# Altium PCB Quadcopter.PcbDoc (continued)
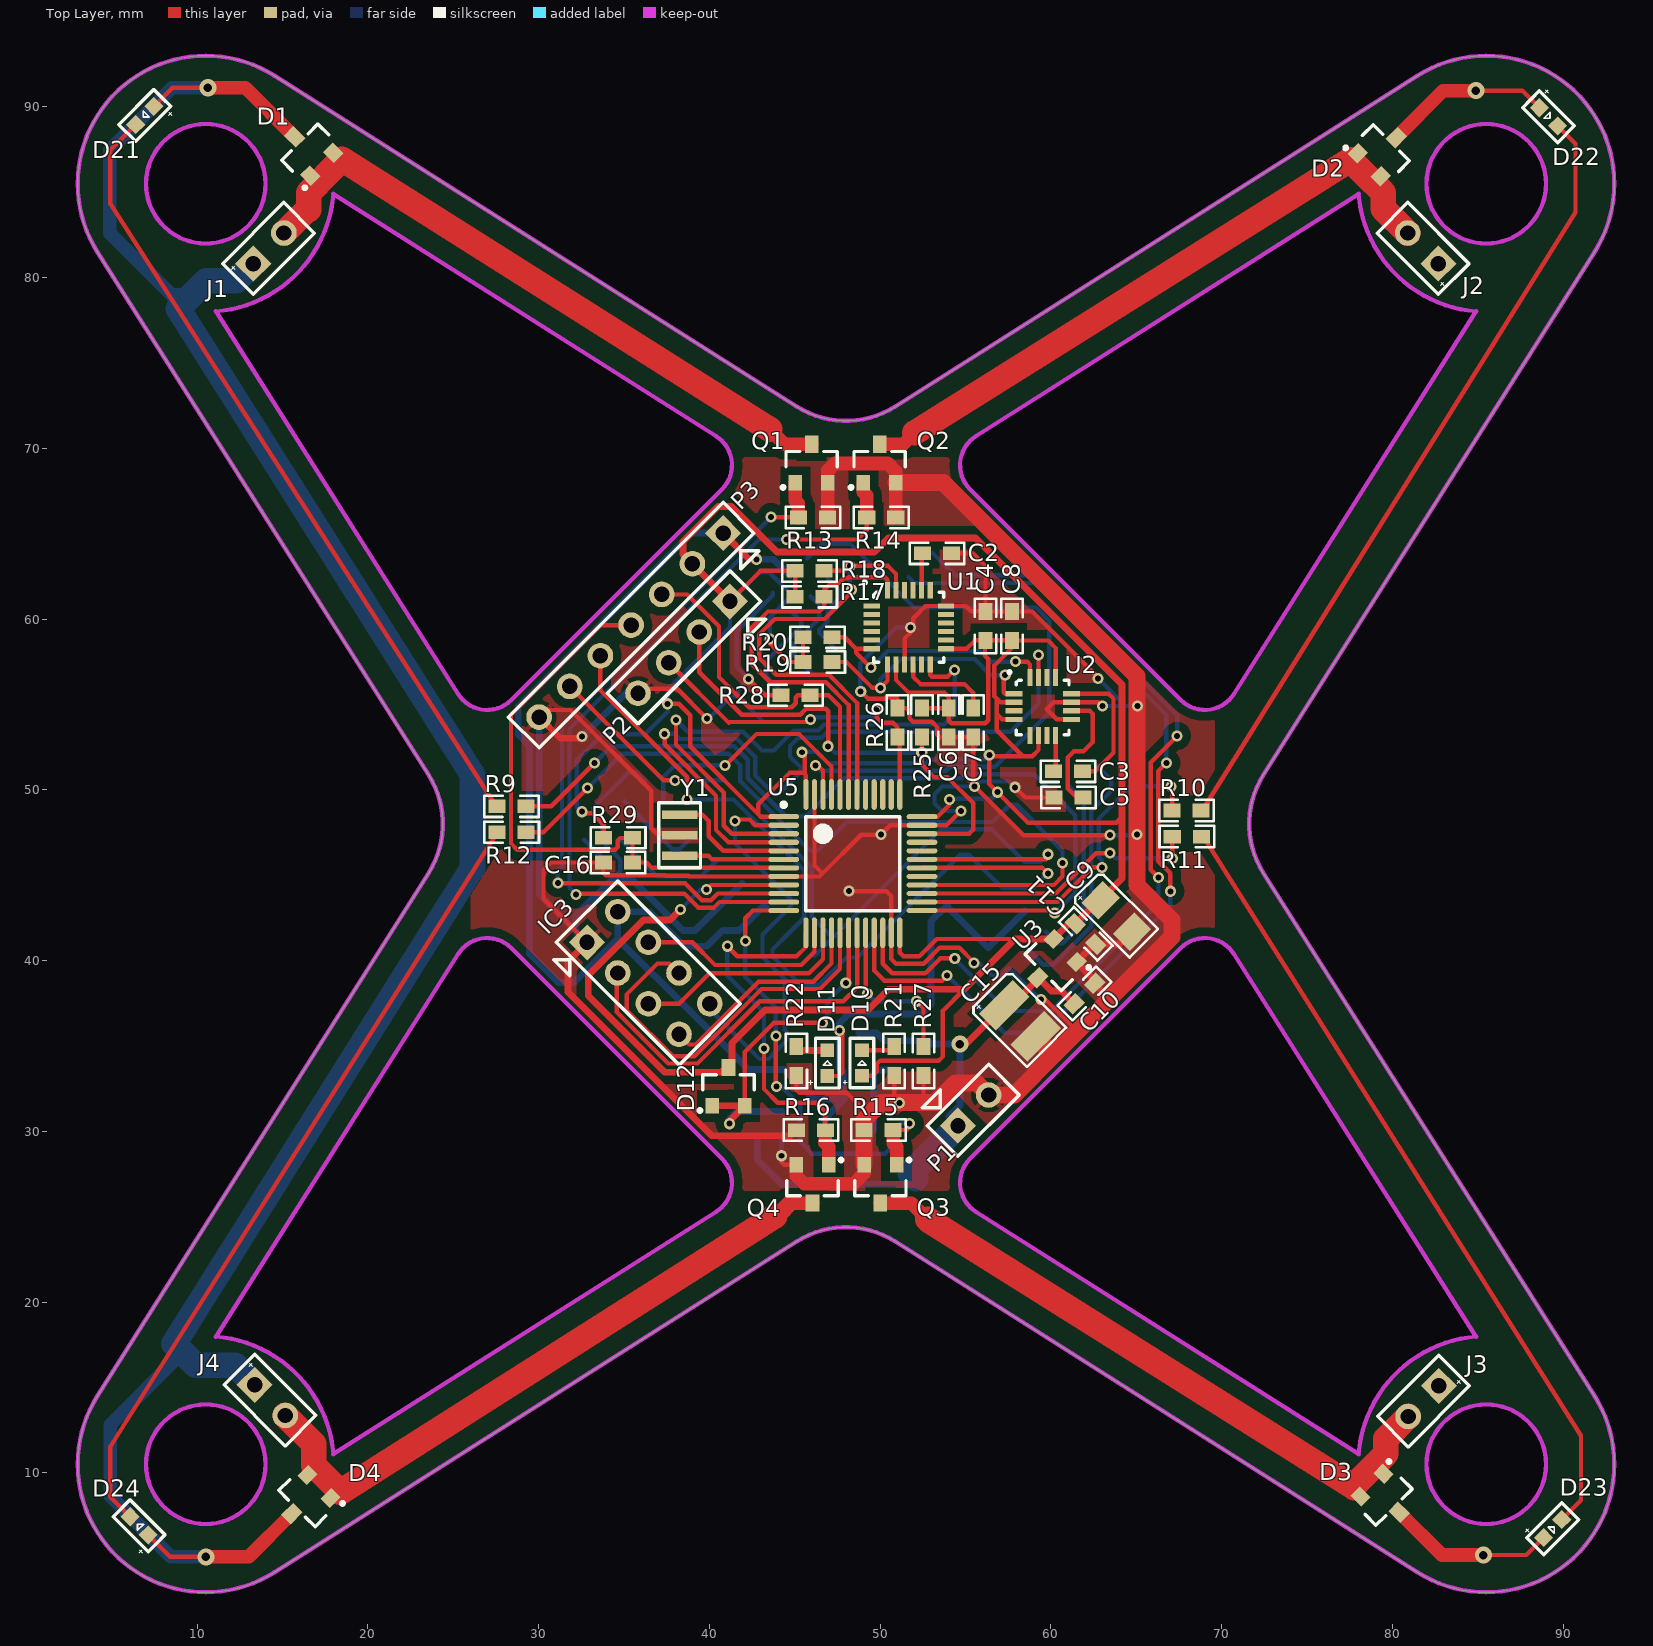
[diagram p0: Top Layer view]
## Nets (pads, with @x,y where several pads share a name; then routed paths per layer and width w, separated by ;. In a path a pad name is that pad's centre, name@x,y a point inside that pad or via, vN(x,y) a via of type N, cw(c..) or ccw(c..) an arc to the next point about the centre after c; other vN are vias at no path point)
3V3: C4.2 C6.2 C8.2 C9.1 C11.1 D10.1 D12.3 P2.1 P3.2 R17.2 R18.2 R19.2 R20.2 R25.2 R29.1 U1.8 U1.13 U2.2 U2.4 U2.6 U2.13 U3.2 U5.1 U5.9 U5.24 U5.36 U5.48 | length 239.6
  Top Layer w0.254: v1(32.526,48.719) 32.474,48.667 32.474,48.638 33.127,48.638 33.805,47.959 R29.1 ; v1(37.552,55.043) 38.204,55.043 38.879,54.368 38.879,52.56 42.854,48.586 ; v1(39.83,44.163) 40.096,44.429 U5.9 ; P2.1 42.987,62.825 R18.2 45.023,62.813 R17.2 ; v1(43.541,58.839) 43.541,58.58 44.633,57.488 R19.2 45.478,57.502 R20.2 ; U5.1 43.01,48.429 42.854,48.586 ; v1(45.432,52.202) 45.494,52.202 45.578,52.119 45.578,50.924 ; U5.48 45.652,50.85 45.578,50.924 ; D10.1 49.55,33.254 49.811,33.515 49.811,33.957 49.997,34.143 53.438,34.143 53.675,34.379 53.675,37.064 54.932,38.322 ; U1.8 50.933,56.431 51.661,55.702 53.774,55.702 54.024,55.452 C6.2 ; U5.24 51.152,40.467 51.37,40.249 52.297,40.249 53.311,41.262 57.873,41.262 ; R25.2 52.451,54.789 C6.2 ; U5.36 53.357,48.429 54.061,49.133 v1(54.061,49.44) ; U1.13 55.062,58.267 55.548,58.753 C4.2 ; 56.835,55.341 56.835,54.437 ; U2.4 57.14,54.132 56.835,54.437 ; U2.2 57.044,55.132 56.692,55.484 56.692,57.287 57.725,58.319 C8.2 ; U2.6 59.279,52.334 58.914,51.969 58.356,51.969 ; U2.13 60.279,58.313 59.847,58.745 C8.2 ; C9.1@62.806,43.539 C9.1 ; C9.1@63.141,43.356 C9.1@63.417,43.632 ; 64.172,48.421 63.824,48.073 58.667,48.073 56.393,50.347 v1(56.393,52.045) 56.468,51.969 58.356,51.969 ; 42.854,48.586 42.854,49.154 44.695,50.995 45.506,50.995 45.578,50.924 ; C6.2 54.024,54.046 54.173,53.897 56.156,53.897 56.331,54.072 56.331,57.667 56.141,57.857 56.141,58.722 C4.2 ; C4.2 57.717,58.753 C8.2 ; 56.835,54.437 56.835,53.49 58.356,51.969
  Top Layer w0.4: v1(38.3,42.992) 37.678,42.369 36.131,42.369 32.908,39.147 32.908,37.939 37.383,33.464 40.705,33.464 41.315,34.074 41.315,35.164 43.263,37.112 49.301,37.112 49.962,37.773 49.962,37.784 50.498,38.321 51.833,38.321 51.835,38.322 52.417,38.322 52.418,38.321 54.931,38.321 54.932,38.322 54.954,38.322 57.873,41.241 57.873,41.262 U3.2 61.07,42.169 C11.1 C9.1@62.806,43.539 ; P2.1 P3.2 38.456,63.791 38.456,64.544 40.509,66.598 41.28,66.598 43.953,63.924 49.656,63.924 50.493,64.761 55.584,64.761 64.172,56.172 64.172,48.421 64.172,44.8 C9.1
  Bottom Layer w0.254: v1(32.526,48.719) 32.236,49.009 32.236,51.72 33.779,53.264 36.243,53.264 37.552,54.572 v1(37.552,55.043) 37.552,55.868 41.205,59.521 P2.1 41.226,61.043 42.928,62.745 43.502,62.745 44.78,61.468 44.78,61.348 43.541,60.109 v1(43.541,58.839) ; v1(38.3,42.992) 39.471,44.163 v1(39.83,44.163) ; v1(45.432,52.202) 45.446,52.216 45.446,52.233 46.292,52.233 46.974,51.551 52.699,51.551 52.935,51.787 56.135,51.787 v1(56.393,52.045) ; v1(54.061,49.44) 54.105,49.484 56.536,49.484 56.865,49.812 v1(56.865,49.862)
3V3_EXT: C1.2 C12.1 C14.1 D11.1 IC1.8 IC2.12 IC3.2 P3.1 R1.2 R2.2 R4.1 U4.2 | length 101
  Top Layer w0.254: D11.1 47.591,33.24 47.771,33.42 47.771,35.762 v1(47.629,35.905)
  Top Layer w0.4: P3.1 42.334,63.505 v1(42.76,63.505)
  Bottom Layer w0.254: C14.1@47.816,31.993 C14.1
  Bottom Layer w0.4: P3.1 38.95,65.039 28.803,54.892 28.803,53.252 29.457,52.598 29.457,40.414 31.159,38.711 32.071,38.711 34.629,41.27 ; v1(42.76,63.505) 43.762,63.505 R4.1 ; IC2.12 43.07,43.101 41.725,41.756 40.758,41.756 39.838,40.836 38.531,40.836 36.503,42.865 IC3.2 34.629,41.27 ; C12.1 46.777,30.755 C14.1 46.096,31.894 44.368,33.621 42.277,33.621 38.889,37.009 34.629,41.27 ; C14.1@47.816,31.993 U4.2 47.629,33.695 v1(47.629,35.905) 47.629,36.341 48.152,36.865 52.421,36.865 52.984,37.427 52.984,42.305 53.814,43.135 IC1.8@53.959,43.135 ; IC1.8 IC1.8@53.959,43.135 ; R1.2@58.489,42.915 56.343,40.769 C1.2 IC1.8@53.959,43.135
BOOT0: P3.3 R28.1 U5.44 | length 20.8
  Top Layer w0.254: P3.3 38.701,61.447 40.561,59.587 40.561,56.604 42.329,54.835 44.824,54.835 45.058,55.069 45.058,55.418 45.18,55.54 R28.1 46.977,55.54 47.652,54.865 U5.44
GND: C1.1 C2.1 C4.1 C5.1 C6.1 C7.1 C8.1 C9.2 C10.2 C11.2 C12.2 C13.2 C14.2 C15.2 C16.1 D31.2 IC1.15 IC2.13 IC3.1 P1.2 P2.4 P3.7 Q1.2 Q2.2 Q3.2 Q4.2 R5.2 R7.2 R13.1 R14.1 R15.1 R16.1 R21.1 R22.1 R24.1 R26.1 R27.1 R28.2 U1.9 U1.18 U2.9 U2.11 U3.1 U4.1 U5.8 U5.23 U5.35 U5.47 Y1.2 | length 324.7
  Top Layer w0.254: P3.7 30.435,54.674 31.861,54.674 36.593,49.942 36.593,47.758 36.899,47.453 38.143,47.453 Y1.2 ; IC3.1 30.278,43.623 30.278,45.301 30.721,45.744 C16.1 33.791,45.134 33.93,44.995 37.374,44.995 37.408,44.961 38.756,44.961 38.788,44.929 U5.8 46.451,44.929 46.622,45.1 ; P2.4 36.082,55.92 38.113,55.92 v1(39.85,54.184) ; v1(42.278,56.5) 43.238,55.54 R28.2 ; v1(44.212,28.569) 44.212,28.224 44.392,28.045 Q4.2 ; R22.1 45.091,32.428 45.268,32.251 48.063,32.251 49.062,31.252 49.062,30.665 R15.1 ; U5.47 46.152,45.57 46.622,45.1 ; v1(48.172,44.069) 50.359,44.069 50.652,43.776 U5.23 50.652,40.093 50.928,39.817 52.551,39.817 53.494,40.76 54.63,40.76 55.499,39.891 v1(55.499,39.861) ; v1(48.862,55.767) 49.286,55.343 50.271,55.343 50.348,55.42 50.931,55.42 51.015,55.335 R26.1 51.508,54.793 51.719,54.582 51.719,54.189 51.922,53.986 53.02,53.986 53.33,53.676 53.33,53.231 53.472,53.089 C6.1 ; 50.819,31.757 R21.1 ; U1.9 51.433,58.864 51.934,59.366 51.934,60.052 52.649,60.767 U1.18 55.02,60.767 55.333,60.453 C4.1 ; R27.1 52.544,31.698 52.546,31.696 ; C6.1@54.025,53.089 C7.1 v1@55.448,50.406 ; C2.1 55.423,63.855 56.173,63.105 C4.1 ; v1(54.735,48.758) 54.723,48.77 53.883,47.929 U5.35 50.596,47.929 v1(50.042,47.376) 48.898,47.376 46.622,45.1 ; v1(55.537,50.199) 58.385,47.351 v1(63.46,47.351) ; v1(57.906,50.151) 58.504,49.553 C5.1 ; v1(59.426,37.719) 59.426,37.715 59.681,37.715 61.526,35.87 61.526,35.828 ; U2.9 60.339,54.132 59.746,54.725 60.153,55.132 U2.11 62.813,55.132 v1(63.026,54.919) ; v1(62.76,56.532) 62.76,56.597 58.912,60.445 C8.1 56.181,60.445 C4.1
  Top Layer w0.4: P3.7 31.263,53.023 32.306,53.023 32.402,53.119 v1(32.526,53.119) ; IC3.1 31.724,39.959 31.724,38.152 40.133,29.742 44.764,29.742 R16.1 ; 59.994,34.635 60.332,34.635 ; 63.434,37.801 C10.2 62.566,38.859 U3.1 62.555,40.967 C11.2 64.016,40.967 C9.2
  Top Layer w0.8: Q4.2 45.086,27.397 45.552,26.932 48.451,26.932 49.063,27.544 Q3.2 ; R13.1 46.937,65.978 Q1.2 46.937,68.708 47.346,69.117 50.454,69.117 50.919,68.652 Q2.2 50.919,65.954 R14.1
  Top Layer w1: Q3.2 R15.1 ; 49.062,30.665 50.093,31.696 52.546,31.696 53.263,31.696 54.408,32.841 55.64,32.841 P1.2 57.859,32.127 59.017,33.285 59.017,33.319 60.332,34.635 61.526,35.828 63.499,37.801 ; Q2.2 53.706,67.992 65.038,56.66 65.038,56.548 65.05,56.536 65.05,44.436 65.038,44.424 67.09,42.372 67.09,41.392 63.499,37.801 ; C15.2 59.111,35.517 59.994,34.635 ; 63.434,37.801 63.499,37.801
  Bottom Layer w0.254: 34.224,44.695 34.785,45.257 34.785,45.902 33.732,46.955 D31.2 33.187,48.683 33.187,48.936 35.245,50.994 35.753,50.994 R7.2 ; v1(39.85,54.184) 39.962,54.184 41.247,55.468 41.681,55.468 41.681,55.903 v1(42.278,56.5) 41.61,57.168 41.61,59.288 43.708,61.387 R5.2 ; 41.659,55.491 IC1.15 ; v1(44.212,28.569) 44.212,29.408 R24.1 ; v1(48.862,55.767) 48.841,55.787 48.841,57.418 50.937,59.514 v1(51.775,59.514) ; C12.2@49.446,29.906 C12.2@49.616,30.076 ; U4.1@49.616,33.408 U4.1 U4.1@49.808,33.601 ; v1(54.735,48.758) 53.622,48.758 53.182,49.198 53.182,49.741 53.64,50.199 v1(55.537,50.199) 55.829,50.492 57.565,50.492 v1(57.906,50.151) ; v1(55.499,39.861) 55.801,39.861 56.537,39.125 57.092,39.125 57.527,39.561 C1.1 59.375,37.719 v1(59.426,37.719) ; v1(62.76,56.532) 64.377,54.915 ; v1@63.045,54.939 63.069,54.915 64.377,54.915 ; v1(63.46,47.351) 64.956,47.351 65.022,47.417 v1(65.048,47.391) ; v1(65.068,54.915) 64.377,54.915
  Bottom Layer w0.4: P3.7 30.035,54.251 30.035,43.867 32.167,41.734 ; v1(32.526,53.119) 32.526,53.106 32.537,53.095 35.097,55.655 P2.4 ; IC3.1 32.167,41.734 ; IC2.13 39.157,41.766 38.446,41.766 38.446,41.769 35.52,44.695 34.224,44.695 32.167,42.638 32.167,41.734 ; C12.2@49.616,30.076 C14.2 ; U4.1@49.616,33.408 C14.2 ; U4.1@49.808,33.601 C13.2 ; v1(51.135,31.653) 50.894,31.894 C14.2
NetC2_2: C2.2 U1.20 | length 2.1
  Top Layer w0.254: U1.20 C2.2@52.433,63.81
NetC3_1: C3.1 U2.8 | length 2.2
  Top Layer w0.254: C3.1 60.279,51.217 U2.8
NetC3_2: C3.2 U2.12 | length 8
  Top Layer w0.254: U2.12 63.382,55.632 63.668,55.346 63.668,52.173 62.58,51.085 C3.2
NetC5_2: C5.2 U2.10 | length 7.7
  Top Layer w0.254: U2.10 62.268,54.632 62.445,54.455 62.445,52.79 61.916,52.261 61.35,52.261 60.985,51.896 60.985,50.079 61.511,49.553 C5.2
NetC7_2: C7.2 U1.10 | length 5.5
  Top Layer w0.254: U1.10 51.933,56.627 52.367,56.192 54.936,56.192 55.448,55.681 C7.2
NetD1_1: D1.1 D1.2 J1.2 Q1.3 | length 46.2
  Top Layer w0.254: 16.455,83.994 17.503,85.042
  Top Layer w0.8: 43.526,71.119 44.404,70.242 Q1.3
  Top Layer w1.5: J1.2 16.455,83.994 16.525,83.994 ; 43.526,71.119 18.471,86.929 ; 16.525,83.994 16.525,84.983 ; 16.525,83.994 16.525,84.983 ; 16.525,84.983 18.471,86.929 ; 16.525,84.983 18.471,86.929 ; 16.525,84.983 18.471,86.929
NetD2_1: D2.1 D2.2 J2.2 Q2.3 | length 42.6
  Top Layer w0.254: 79.317,84.196 D2.2
  Top Layer w0.8: Q2.3 51.349,70.242 52.026,70.919
  Top Layer w1.5: 52.026,70.919 77.542,86.904 ; J2.2 79.473,84.041 79.473,84.985 ; 77.542,86.904 77.567,86.878 ; 77.542,86.904 77.567,86.878 ; 77.542,86.904 78.911,85.535 77.567,86.878 ; 79.473,84.985 78.944,85.514 79.473,84.985
NetD3_1: D3.1 D3.2 J3.2 Q3.3 | length 78.6
  Top Layer w0.254: 78.136,9.421 78.136,10.508 J3.2
  Top Layer w0.8: Q3.3 51.827,25.795 52.783,24.839
  Top Layer w1.5: J3.2 79.622,11.995 ; 77.78,9.276 79.622,11.118 ; 77.78,9.276 79.622,11.118 ; 77.78,9.276 79.622,11.118 ; 79.622,11.118 79.622,11.995 ; 79.622,11.118 79.622,11.995 ; 52.783,24.839 77.78,9.135 52.783,24.839
NetD4_1: D4.1 D4.2 J4.2 Q4.3 | length 73.9
  Top Layer w0.8: 43.826,25.019 44.069,25.019 44.845,25.795 ; 43.96,25.153 44.586,25.779 ; 44.871,25.795 Q4.3
  Top Layer w1.5: J4.2 16.835,11.683 16.835,10.423 ; 16.835,10.423 18.269,8.989 ; 16.835,10.423 18.269,8.989 ; 16.835,10.423 18.388,8.871 ; 18.269,8.989 18.388,8.871 ; 18.269,8.989 18.388,8.871 ; 18.388,8.871 43.826,25.019 18.388,8.871
NetD10_2: D10.2 R21.2 | length 1.7
  Top Layer w0.254: D10.2 R21.2@50.6,34.754
NetD11_2: D11.2 R22.2 | length 1.9
  Top Layer w0.4: R22.2 45.324,34.739 D11.2
NetD12_1: D12.1 D12.2 R23.1 R24.2 U5.18 | length 21.2
  Top Layer w0.254: D12.2 42.067,34.646 43.772,36.351 v1(46.62,36.351) ; v1(47.986,38.681) 48.152,38.847 U5.18
  Top Layer w0.4: D12.1@40.233,31.495 D12.2 41.167,30.594 v1(41.167,30.445)
  Bottom Layer w0.254: v1(46.62,36.351) 46.647,36.351 46.905,36.61 46.905,37.6 v1(47.986,38.681)
  Bottom Layer w0.4: v1(41.167,30.445) 41.167,30.733 41.586,31.153 R23.1 42.806,31.158 R24.2
NetD21_2: D21.2 R9.2 | length 47.2
  Top Layer w0.254: D21.2 4.901,87.471 4.901,84.345 R9.2@27.526,49.019
NetD22_2: D22.2 R10.2 | length 129.6
  Top Layer w0.254: D22.2 90.726,87.845 90.726,83.819 ; R10.2@68.826,48.719 R10.2@68.852,48.761 ; R10.2@68.826,48.719 R10.2@68.852,48.761 ; R10.2@68.826,48.719 90.726,83.819 ; R10.2@68.852,48.761 90.726,83.819 ; R10.2@68.852,48.761 90.726,83.819
NetD23_2: D23.2 R11.2 | length 88.9
  Top Layer w0.254: R11.2@68.811,47.419 R11.2@68.826,47.419 ; D23.2 91.053,8.394 91.053,12.172 ; R11.2@68.826,47.419 R11.2@68.894,47.312 ; R11.2@68.826,47.419 R11.2@68.894,47.312 ; R11.2@68.826,47.419 91.053,12.172 ; R11.2@68.894,47.312 91.053,12.172
NetD24_2: D24.2 R12.2 | length 47
  Top Layer w0.254: D24.2 4.903,8.586 4.903,11.533 R12.2@27.526,47.419
NetD31_1: D31.1 R8.1 | length 1.4
  Bottom Layer w0.254: D31.1 R8.1@33.672,46.076
NetIC1_2: IC1.2 R2.1 | length 15.7
  Bottom Layer w0.254: R2.1 59.551,39.758 60.13,39.758 62.362,41.99 62.362,48.771 63.544,49.953 63.544,50.576 IC1.2
NetIC1_3: IC1.3 R1.1 | length 11.4
  Bottom Layer w0.254: R1.1 60.396,41.008 60.693,41.008 61.93,42.246 61.93,49.361 IC1.3
NetIC1_16: IC1.16 R5.1 | length 6.5
  Bottom Layer w0.254: IC1.16 43.326,56.651 43.326,57.545 45.387,59.605 45.387,59.864 R5.1
NetIC1_17: IC1.17 R4.2 | length 5.8
  Bottom Layer w0.254: R4.2 46.443,60.823 46.443,60.051 44.971,58.579 44.971,57.835 IC1.17
NetIC1_18: IC1.18 R3.2 | length 5.3
  Bottom Layer w0.254: R3.2 47.617,61.681 47.617,61.23 46.941,60.554 46.941,59.892 46.442,59.393 46.442,59.193 IC1.18
NetIC1_21: IC1.21 U5.21 | length 54.5
  Top Layer w0.254: U5.21 49.652,39.417 50.244,38.825 51.624,38.825 51.626,38.827 52.626,38.827 52.627,38.825 53.632,38.825 v1(53.926,39.119) ; v1(66.766,51.582) 66.287,51.103 66.287,45.824 66.999,45.112 v1(66.999,44.059)
  Bottom Layer w0.254: IC1.21 52,62.12 59.037,62.12 66.766,54.391 v1(66.766,51.582) ; v1(53.926,39.119) 57.269,35.775 59.515,35.775 66.999,43.259 v1(66.999,44.059)
NetIC1_22: IC1.22 U5.22 | length 52.6
  Top Layer w0.254: U5.22 50.152,39.816 50.71,39.258 52.651,39.258 53.523,40.13 v1(54.37,40.13) ; v1(66.306,44.865) 65.855,45.316 65.855,51.605 67.406,53.156 v1(67.397,53.165)
  Bottom Layer w0.254: IC1.22 54.384,62.565 59.203,62.565 67.397,54.371 v1(67.397,53.165) ; v1(54.37,40.13) 54.37,40.1 57.426,37.043 60.002,37.043 66.306,43.347 v1(66.306,44.865)
NetIC2_24: IC2.24 R8.2 | length 6.9
  Bottom Layer w0.254: R8.2 36.938,44.945 39.508,44.945 IC2.24
NetIC2_26: IC2.26 R6.1 R7.1 | length 5.6
  Bottom Layer w0.254: R7.1 35.02,49.327 R6.1 37.832,46.515 38.249,46.515 IC2.26
NetIC3_3: IC3.3 U5.19 | length 22.7
  Top Layer w0.254: IC3.3@34.572,39.272 34.572,36.989 37.592,33.969 39.299,33.969 42.955,37.624 47.844,37.624 48.652,38.432 U5.19 ; IC3.3@34.938,39.34 IC3.3@34.992,39.393
NetIC3_4: IC3.4 U5.14 | length 11.7
  Top Layer w0.254: IC3.4 39,41.068 40.324,39.745 45.383,39.745 46.152,40.514 U5.14
NetIC3_5: IC3.5 U5.15 | length 12.9
  Top Layer w0.254: IC3.5 38.224,37.476 40.005,39.257 45.827,39.257 46.652,40.082 U5.15
NetIC3_6: IC3.6 U5.17 | length 22.8
  Top Layer w0.254: IC3.6 37.663,39.831 36.961,39.831 35.148,38.018 35.148,37.099 37.847,34.401 39.121,34.401 43.054,38.334 46.471,38.334 47.652,39.515 U5.17
NetIC3_7: IC3.7 U5.16 | length 12.9
  Top Layer w0.254: IC3.7 38.816,35.085 39.194,35.085 42.875,38.766 46.087,38.766 47.152,39.831 U5.16
NetIC3_8: IC3.8 U5.2 | length 25
  Top Layer w0.254: v1(41.502,48.173) 41.593,48.264 42.354,48.264 42.688,47.929 U5.2
  Bottom Layer w0.254: IC3.8 40.017,37.153 42.939,34.231 43.46,34.231 43.829,34.6 43.829,34.627 44.52,35.317 44.52,35.839 44.42,35.939 44.42,38.9 43.105,40.215 43.105,41.51 44.768,43.173 44.768,43.593 41.502,46.859 v1(41.502,48.173)
NetQ1_1: Q1.1 R13.2 U5.10 | length 44.1
  Top Layer w0.254: v1(31.126,44.549) 31.146,44.529 38.578,44.529 39.2,43.907 39.2,43.902 39.569,43.533 40.091,43.533 40.487,43.929 U5.10 ; v1(43.61,65.97) 45.189,65.97 R13.2
  Top Layer w0.8: Q1.1 45.037,66.943 45.209,66.771 R13.2
  Bottom Layer w0.254: v1(31.126,44.549) 31.126,45.258 31.369,45.502 31.369,53.738 43.602,65.97 v1(43.61,65.97)
NetQ2_1: Q2.1 R14.2 U5.11 | length 47.6
  Top Layer w0.254: v1(32.182,43.876) 32.226,43.919 38.534,43.919 39.352,43.101 40.27,43.101 40.598,43.429 U5.11 ; v1(44.513,64.661) 48.666,64.661 49.215,65.21 R14.2
  Top Layer w0.8: Q2.1 49.019,67.435 49.215,67.239 R14.2
  Bottom Layer w0.254: v1(32.182,43.876) 31.801,44.257 31.801,53.559 42.903,64.661 v1(44.513,64.661)
NetQ3_1: Q3.1 R15.2 U5.12 | length 28.3
  Top Layer w0.254: v1(42.102,41.139) 42.102,42.486 42.546,42.929 U5.12 ; v1(43.89,35.578) 43.89,32.678 v1(43.938,32.63) ; R15.2 51.561,30.078 51.713,30.23 v1(51.713,30.455)
  Top Layer w0.8: R15.2 50.762,29.299 50.963,29.098 Q3.1
  Bottom Layer w0.254: v1(42.102,41.139) 42.102,39.037 43.89,37.25 v1(43.89,35.578) ; v1(43.938,32.63) 44.21,32.63 45.324,31.516 45.324,29.396 45.772,28.949 45.772,28.905 45.988,28.689 50.292,28.689 50.554,28.952 50.554,29.854 51.155,30.455 v1(51.713,30.455)
NetQ4_1: Q4.1 R16.2 U5.13 | length 22.5
  Top Layer w0.254: v1(41.049,40.841) 41.636,40.254 45.105,40.254 45.652,40.801 U5.13 ; v1(43.2,34.861) 43.2,32.478 44.001,31.676 46.257,31.676 46.792,31.141 R16.2
  Top Layer w0.8: R16.2 46.792,29.358 46.761,29.327 46.986,29.101 Q4.1
  Bottom Layer w0.254: v1(41.049,40.841) 41.049,39.129 43.2,36.978 v1(43.2,34.861)
NetR3_1: R3.1 U5.46 | length 39.2
  Top Layer w0.254: v1(46.207,51.427) 46.207,51.583 46.652,51.138 U5.46
  Bottom Layer w0.254: R3.1 46.566,64.402 48.262,64.402 51.987,60.677 59.124,60.677 59.908,59.893 59.908,54.533 56.731,51.355 54.077,51.355 53.841,51.12 46.515,51.12 v1(46.207,51.427)
NetR6_2: R6.2 U5.45 | length 14.7
  Top Layer w0.254: v1(40.921,51.428) 42.765,53.271 45.254,53.271 47.152,51.373 U5.45
  Bottom Layer w0.254: R6.2 37.297,50.754 37.98,51.438 40.968,51.438 40.958,51.428 v1(40.921,51.428)
NetR9_1: R9.1 U5.25 | length 52
  Top Layer w0.254: R9.1 30.731,49.034 32.321,50.624 v1(33.28,51.583) ; U5.25 60.082,42.929 v1(60.226,42.785)
  Bottom Layer w0.254: v1(33.28,51.583) 34.243,52.546 41.457,52.546 42.245,51.757 42.245,50.681 44.471,48.455 45.666,48.455 47.899,50.688 54.772,50.688 55.008,50.924 59.001,50.924 61.436,48.489 61.436,43.995 v1(60.226,42.785)
NetR10_1: R10.1 U5.26 | length 20.9
  Top Layer w0.254: U5.26 60.396,43.429 62.425,45.458 v1(62.992,45.458) v1@62.992,45.641 ; v1(67.034,50.208) 67.103,50.14 R10.1
  Bottom Layer w0.254: v1(62.992,45.458) 62.992,45.883 62.813,46.062 62.813,48.317 64.705,50.208 v1(67.034,50.208)
NetR11_1: R11.1 U5.27 | length 17
  Top Layer w0.254: U5.27 60.286,43.929 62.638,46.282 v1@63.469,46.282 ; v1(67.111,45.987) R11.1
  Bottom Layer w0.254: v1(63.469,46.297) 63.778,45.987 v1(67.111,45.987)
NetR12_1: R12.1 U5.28 | length 48.4
  Top Layer w0.254: R12.1 30.284,47.517 v1(32.865,50.098) ; U5.28 60.175,44.429 60.684,44.938 v1(60.684,45.713)
  Bottom Layer w0.254: v1(32.865,50.098) 34.882,52.114 41.126,52.114 41.813,51.427 41.813,50.502 45.872,46.443 46.368,46.443 48.041,48.116 56.577,48.116 57.587,49.126 57.996,49.126 60.684,46.438 v1(60.684,45.713)
NetR17_1: R17.1 U1.24 U5.43 | length 24.4
  Top Layer w0.254: R17.1 46.723,60.724 46.443,60.444 43.433,60.444 42.48,59.49 42.48,57.386 43.561,56.304 46.823,56.304 48.152,54.975 U5.43 ; R17.1@46.825,61.408 46.723,61.51 46.723,61.715 47.036,62.027 47.505,62.027 47.872,62.394 48.111,62.394 48.17,62.453 50.288,62.453 50.433,62.309 U1.24
NetR18_1: R18.1 U1.23 U5.42 | length 27.1
  Top Layer w0.254: R18.1 47.932,62.825 v1(48.226,63.119) 50.464,63.119 50.933,62.65 U1.23 ; v1(48.326,61.719) 48.326,61.578 46.76,60.012 43.823,60.012 42.912,59.1 42.912,57.736 43.912,56.736 47.002,56.736 48.652,55.086 U5.42
  Bottom Layer w0.254: v1(48.226,63.119) 48.214,63.131 48.214,61.785 48.259,61.785 v1(48.326,61.719)
NetR19_1: R19.1 U1.7 U2.1 | length 15.4
  Top Layer w0.254: R19.1 48.031,57.488 49.547,55.973 v1(50.01,55.973) 50.433,56.395 50.433,56.891 U1.7 ; v1(57.326,56.719) 57.231,56.719 57.231,55.714 57.314,55.632 U2.1
  Bottom Layer w0.254: v1(50.01,55.973) 50.01,56.468 51.202,57.66 55.536,57.66 56.478,56.719 v1(57.326,56.719)
NetR20_1: R20.1 U1.6 U2.16 | length 14.9
  Top Layer w0.254: R20.1 47.924,58.934 48.592,58.267 ; v1(49.471,57.157) 48.592,58.036 48.592,58.267 ; U1.6 48.592,58.267 ; v1(57.932,57.513) 58.612,57.513 58.779,57.347 U2.16
  Bottom Layer w0.254: v1(49.471,57.157) 50.448,58.134 55.859,58.134 56.48,57.513 v1(57.932,57.513)
NetR27_2: R27.2 U5.20 | length 9.5
  Top Layer w0.254: U5.20 49.152,38.171 v1(49.259,38.064) ; v1(52.126,37.619) 52.544,37.201 R27.2
  Bottom Layer w0.254: v1(49.259,38.064) 49.704,37.619 v1(52.126,37.619)
NetU1_12: U1.12 U5.3 | length 33.9
  Top Layer w0.254: v1(38.043,54.102) 38.043,52.651 40.845,49.849 40.845,47.895 41.31,47.429 U5.3 ; U1.12 52.933,56.723 53.031,56.624 53.882,56.624 53.891,56.634 53.965,56.634 v1(54.362,57.03)
  Bottom Layer w0.254: v1(38.043,54.102) 38.735,53.409 41.975,53.409 43.082,52.303 43.769,52.303 44.943,53.477 46.38,53.477 46.73,53.827 53.758,53.827 54.362,54.432 v1(54.362,57.03)
NetU2_15: U2.15 U5.4 | length 43.3
  Top Layer w0.254: v1(37.378,53.284) 37.378,52.668 40.387,49.659 40.387,47.656 41.114,46.929 U5.4 ; U2.15 v1(59.279,57.905)
  Bottom Layer w0.254: v1(37.378,53.284) 37.859,53.284 37.89,53.315 37.92,53.315 38.258,52.978 41.635,52.978 42.677,51.936 42.677,50.859 43.798,49.739 44.038,49.739 45.334,51.035 45.334,51.331 44.724,51.941 44.724,52.573 45.196,53.045 46.558,53.045 46.908,53.395 57.626,53.395 59.279,55.048 v1(59.279,57.905)
NetU5_5: U5.5 Y1.1 | length 7.5
  Top Layer w0.254: Y1.1 39.594,48.536 39.956,48.175 39.956,47.283 40.809,46.429 U5.5
NetU5_6: U5.6 Y1.3 | length 6.2
  Top Layer w0.254: Y1.3 39.944,46.136 40.151,45.929 U5.6
NRST: C16.2 P3.4 R29.2 U5.7 | length 35
  Top Layer w0.254: P3.4 33.638,59.651 28.381,54.393 28.381,46.854 28.747,46.488 34.475,46.488 34.636,46.649 34.636,47.032 34.782,47.178 R29.2@35.491,47.178 ; R29.2 R29.2@35.491,47.178 ; U5.7 36.64,45.429 36.325,45.744 C16.2 R29.2@35.491,47.178
RX1: IC2.1 P3.6 U5.31 | length 49.7
  Top Layer w0.254: P3.6 37.325,50.553 v1(37.986,50.553) ; U5.31 v1@59.736,45.929
  Bottom Layer w0.254: v1(37.986,50.553) 40.892,50.553 45.992,45.452 45.992,42.57 47.219,41.343 IC2.1 53.56,47.684 56.559,47.684 58.459,45.784 59.394,45.784 59.833,46.223 v1(59.833,46.228)
SWCLK: P2.3 R26.2 U5.37 | length 20.3
  Top Layer w0.254: P2.3 41.148,53.916 41.203,53.971 45.778,53.971 v1(45.926,54.119) ; v1(49.8,54.67) 49.8,54.239 50.104,53.936 50.752,53.936 51.015,53.672 R26.2 51.152,52.956 U5.37
  Bottom Layer w0.254: v1(45.926,54.119) 46.066,54.259 49.649,54.259 50.012,54.621 49.963,54.67 v1(49.8,54.67)
SWDIO: P2.2 R25.1 U5.34 | length 29
  Top Layer w0.254: P2.2 39.409,56.886 41.891,54.403 45.319,54.403 45.665,54.749 46.816,54.749 46.955,54.61 v1(46.955,52.552) ; v1(52.439,52.181) 52.439,51.482 53.189,50.731 53.95,50.731 55.452,49.229 55.452,47.672 55.21,47.429 U5.34 ; v1@52.448,52.191 R25.1
  Bottom Layer w0.254: v1(46.955,52.552) 47.326,52.181 v1(52.439,52.181)
TX1: IC2.2 P3.5 U5.30 | length 53.5
  Top Layer w0.254: P3.5 33.616,55.817 38.699,50.733 v1(38.699,49.431) ; U5.30 59.505,45.429 v1(59.823,45.111)
  Bottom Layer w0.254: v1(38.699,49.431) 41.403,49.431 45.56,45.274 45.56,42.513 IC2.2 43.691,40.644 43.691,40.239 45.337,38.593 46.439,38.593 48.028,40.182 48.674,40.182 54.696,46.204 55.194,46.204 57.136,44.262 58.973,44.262 v1(59.823,45.111)
VBAT: C10.1 C13.1 C15.1 D1.3 D2.3 D3.3 D4.3 D21.1 D22.1 D23.1 D24.1 J1.1 J2.1 J3.1 J4.1 P1.1 R23.2 U3.3 U4.3 | length 192.6
  Top Layer w0.254: D24.1 8.418,5.072 v2(10.502,5.072) ; D21.1 8.553,91.123 v2(10.623,91.123) ; v2(84.896,90.955) 87.616,90.955 D22.1 ; v2(85.331,5.179) 87.839,5.179 D23.1
  Top Layer w0.4: v2(54.673,35.11) 55.037,35.11 C15.1@57.119,37.192 ; C15.1 57.719,37.394 U3.3@59.269,38.945 ; U3.3 60.026,38.218 60.613,38.218 C10.1
  Top Layer w0.8: v2(10.502,5.072) 13.008,5.072 D4.3 ; v2(10.623,91.123) 12.822,91.123 D1.3 ; D2.3 82.988,90.955 v2(84.896,90.955) ; D3.3 82.907,5.179 v2(85.331,5.179)
  Bottom Layer w0.4: R23.2 42.801,28.343 44.249,26.894 51.292,26.894 52.174,27.776 ; U4.3 48.778,35.77 49.799,35.77 50.268,35.301 C13.1 52.824,35.301 53.012,35.112 53.015,35.11 v2(54.673,35.11) 54.673,31.526 54.018,30.871 P1.1
  Bottom Layer w0.8: 9.144,17.056 4.903,12.815 4.903,8.632 8.464,5.072 v2(10.502,5.072) ; 9.681,78.981 8.51,78.981 4.879,82.612 4.879,87.48 8.522,91.123 v2(10.623,91.123)
  Bottom Layer w1.5: 8.642,17.558 26.046,45.318 26.121,45.393 26.121,50.887 8.882,78.181 9.681,78.981 10.529,79.829 12.29,79.829 J1.1 ; 9.144,17.056 9.903,16.298 12.221,16.298 J4.1 ; 52.088,27.217 51.771,27.534 51.771,27.545 P1.1
pads on no net: IC1.1 IC1.4 IC1.5 IC1.6 IC1.7 IC1.9 IC1.10 IC1.11 IC1.12 IC1.13 IC1.14 IC1.19 IC1.20 U1.1 U1.2 U1.3 U1.4 U1.5 U1.11 U1.14 U1.15 U1.16 U1.17 U1.19 U1.21 U1.22 U2.3 U2.5 U2.7 U2.14 U5.29 U5.32 U5.33 U5.38 U5.39 U5.40 U5.41

## Polygon pours and split planes (outlines as drawn)
GND on Top Layer "GND_Top" (solid, remove dead copper, pour order 18): 67.147,67.138 64.794,69.492 29.61,69.492 26.008,65.89 26.008,26.528 69.606,26.528 69.606,64.679 66.807,67.478
GND on Top Layer "stm32" (solid, pour order 6): 46.209,48.323 51.047,48.323 51.047,43.015 45.754,43.015 45.754,47.868 45.993,48.107
GND on Top Layer "MPU" (solid, remove dead copper, pour order 8): 50.685,61 53.189,61 53.188,58.007 50.252,58.007 50.252,60.599 50.455,60.787
GND on Top Layer "HMC" (solid, remove dead copper, pour order 10): 58.64,55.646 58.743,55.75 58.851,55.858 60.417,55.858 60.515,55.864 60.515,53.851 59.036,53.851 58.548,53.851 58.548,55.555
GND on Bottom Layer "GND_BTM" (solid, remove dead copper, pour order 20): 24.928,70.958 24.928,24.908 70.986,24.908 70.986,70.958
VBAT on Bottom Layer "VBAT_CON" (solid, remove dead copper, pour order 16): 54.621,32.042 56.341,30.322 56.376,29.337 55.803,28.765 55.076,28.038 55.076,25.891 55.076,25.483 51.669,25.483 50.967,26.186 50.007,27.428
VBAT on Bottom Layer "VBAT" (solid, remove dead copper, pour order 14): 28.572,45.914 28.572,50.147 24.982,57.214 38.734,70.966 45.131,67.8 50.87,67.8 57.42,70.966 71.256,57.626 68.039,51.548 68.039,48.018 97.248,48.018 97.248,96.314 0.05,96.314 0.05,0.098 97.248,0.098 97.248,48.018 68.039,48.018 68.039,44.891 70.914,38.785 57.42,24.939 51.047,27.878 45.113,27.878 38.569,24.939 31.464,32.045 24.982,38.527

## Keep-outs
Keep-Out Layer:
  circle w0.254: c85.5,10.5 r3.5
  circle w0.254: c10.5,10.5 r3.5
  circle w0.254: c85.5,85.5 r3.5
  circle w0.254: c10.5,85.5 r3.5
  lines w0.254: 4.164,14.513 ccw(c10.5,10.5) 14.513,4.164 45.131,23.555 cw(c48,19.024) 50.87,23.555 81.487,4.164 ccw(c85.5,10.5) 91.836,14.513 72.445,45.131 cw(c76.976,48) 72.445,50.87 91.836,81.487 ccw(c85.5,85.5) 81.487,91.836 50.87,72.445 cw(c48,76.976) 45.131,72.445 14.513,91.836 ccw(c10.5,85.5) 4.164,81.487 23.555,50.87 cw(c19.025,48) 23.555,45.131 4.164,14.513 ; 11.093,17.977 cw(c10.5,10.5) 17.977,11.092 40.393,25.289 ccw(c39.323,26.979) 40.737,28.393 28.393,40.737 ccw(c26.979,39.323) 25.29,40.393 11.093,17.977 ; 11.093,78.024 ccw(c10.5,85.5) 17.977,84.908 40.393,70.711 cw(c39.323,69.021) 40.737,67.607 28.393,55.263 cw(c26.979,56.678) 25.29,55.607 11.093,78.024 ; 55.263,28.393 ccw(c56.678,26.979) 55.608,25.289 78.024,11.092 cw(c85.5,10.5) 84.908,17.977 70.711,40.393 ccw(c69.021,39.323) 67.607,40.737 55.263,28.393 ; 55.263,67.607 cw(c56.678,69.021) 55.608,70.711 78.024,84.908 ccw(c85.5,85.5) 84.908,78.024 70.711,55.607 cw(c69.021,56.678) 67.607,55.263 55.263,67.607

## Silkscreen, mask and mechanical layers (free items; w line width, h text height)
Bottom Overlay:
  text "Verson 2.0" at 40.692,71.846 h1.5 r328
  text "Design by YuanYe, 20160201" at 25.075,50.845 h3 r302.33

## Text inside footprints (layer, text, board x,y; h text height)
IC1: Mechanical 13 "CUTOUT POLYGON" at 69.242,58.124 h0.25 r315; Mechanical 13 "ANTENNA AREA" at 69.601,58.483 h0.25 r315
IC2: Bottom Overlay "TXD" at 42.684,37.797 h1 r225; Bottom Overlay "KEY" at 35.895,44.868 h1 r225; Bottom Overlay "LED" at 37.31,43.454 h1 r225; Bottom Overlay "GND" at 38.724,42.04 h1 r225; Bottom Overlay "VCC" at 40.138,40.626 h1 r225; Bottom Overlay "RXD" at 41.552,39.212 h1 r225